# Altium PCB SONDE_2.PcbDoc (part 3 of 10)
Units mil, origin at the board's own origin, x right, y up, seen from the top; angles counter-clockwise.
Board outline 10236.22 x 6701.71 mil, 4 copper layers (Top Layer, GND, Internal Plane 2, Bottom Layer), stack 30.9 mil thick; 1794 components, 936 nets, 4747 pads, 493 vias.
Unrouted connection lines stored in the file: 1122.
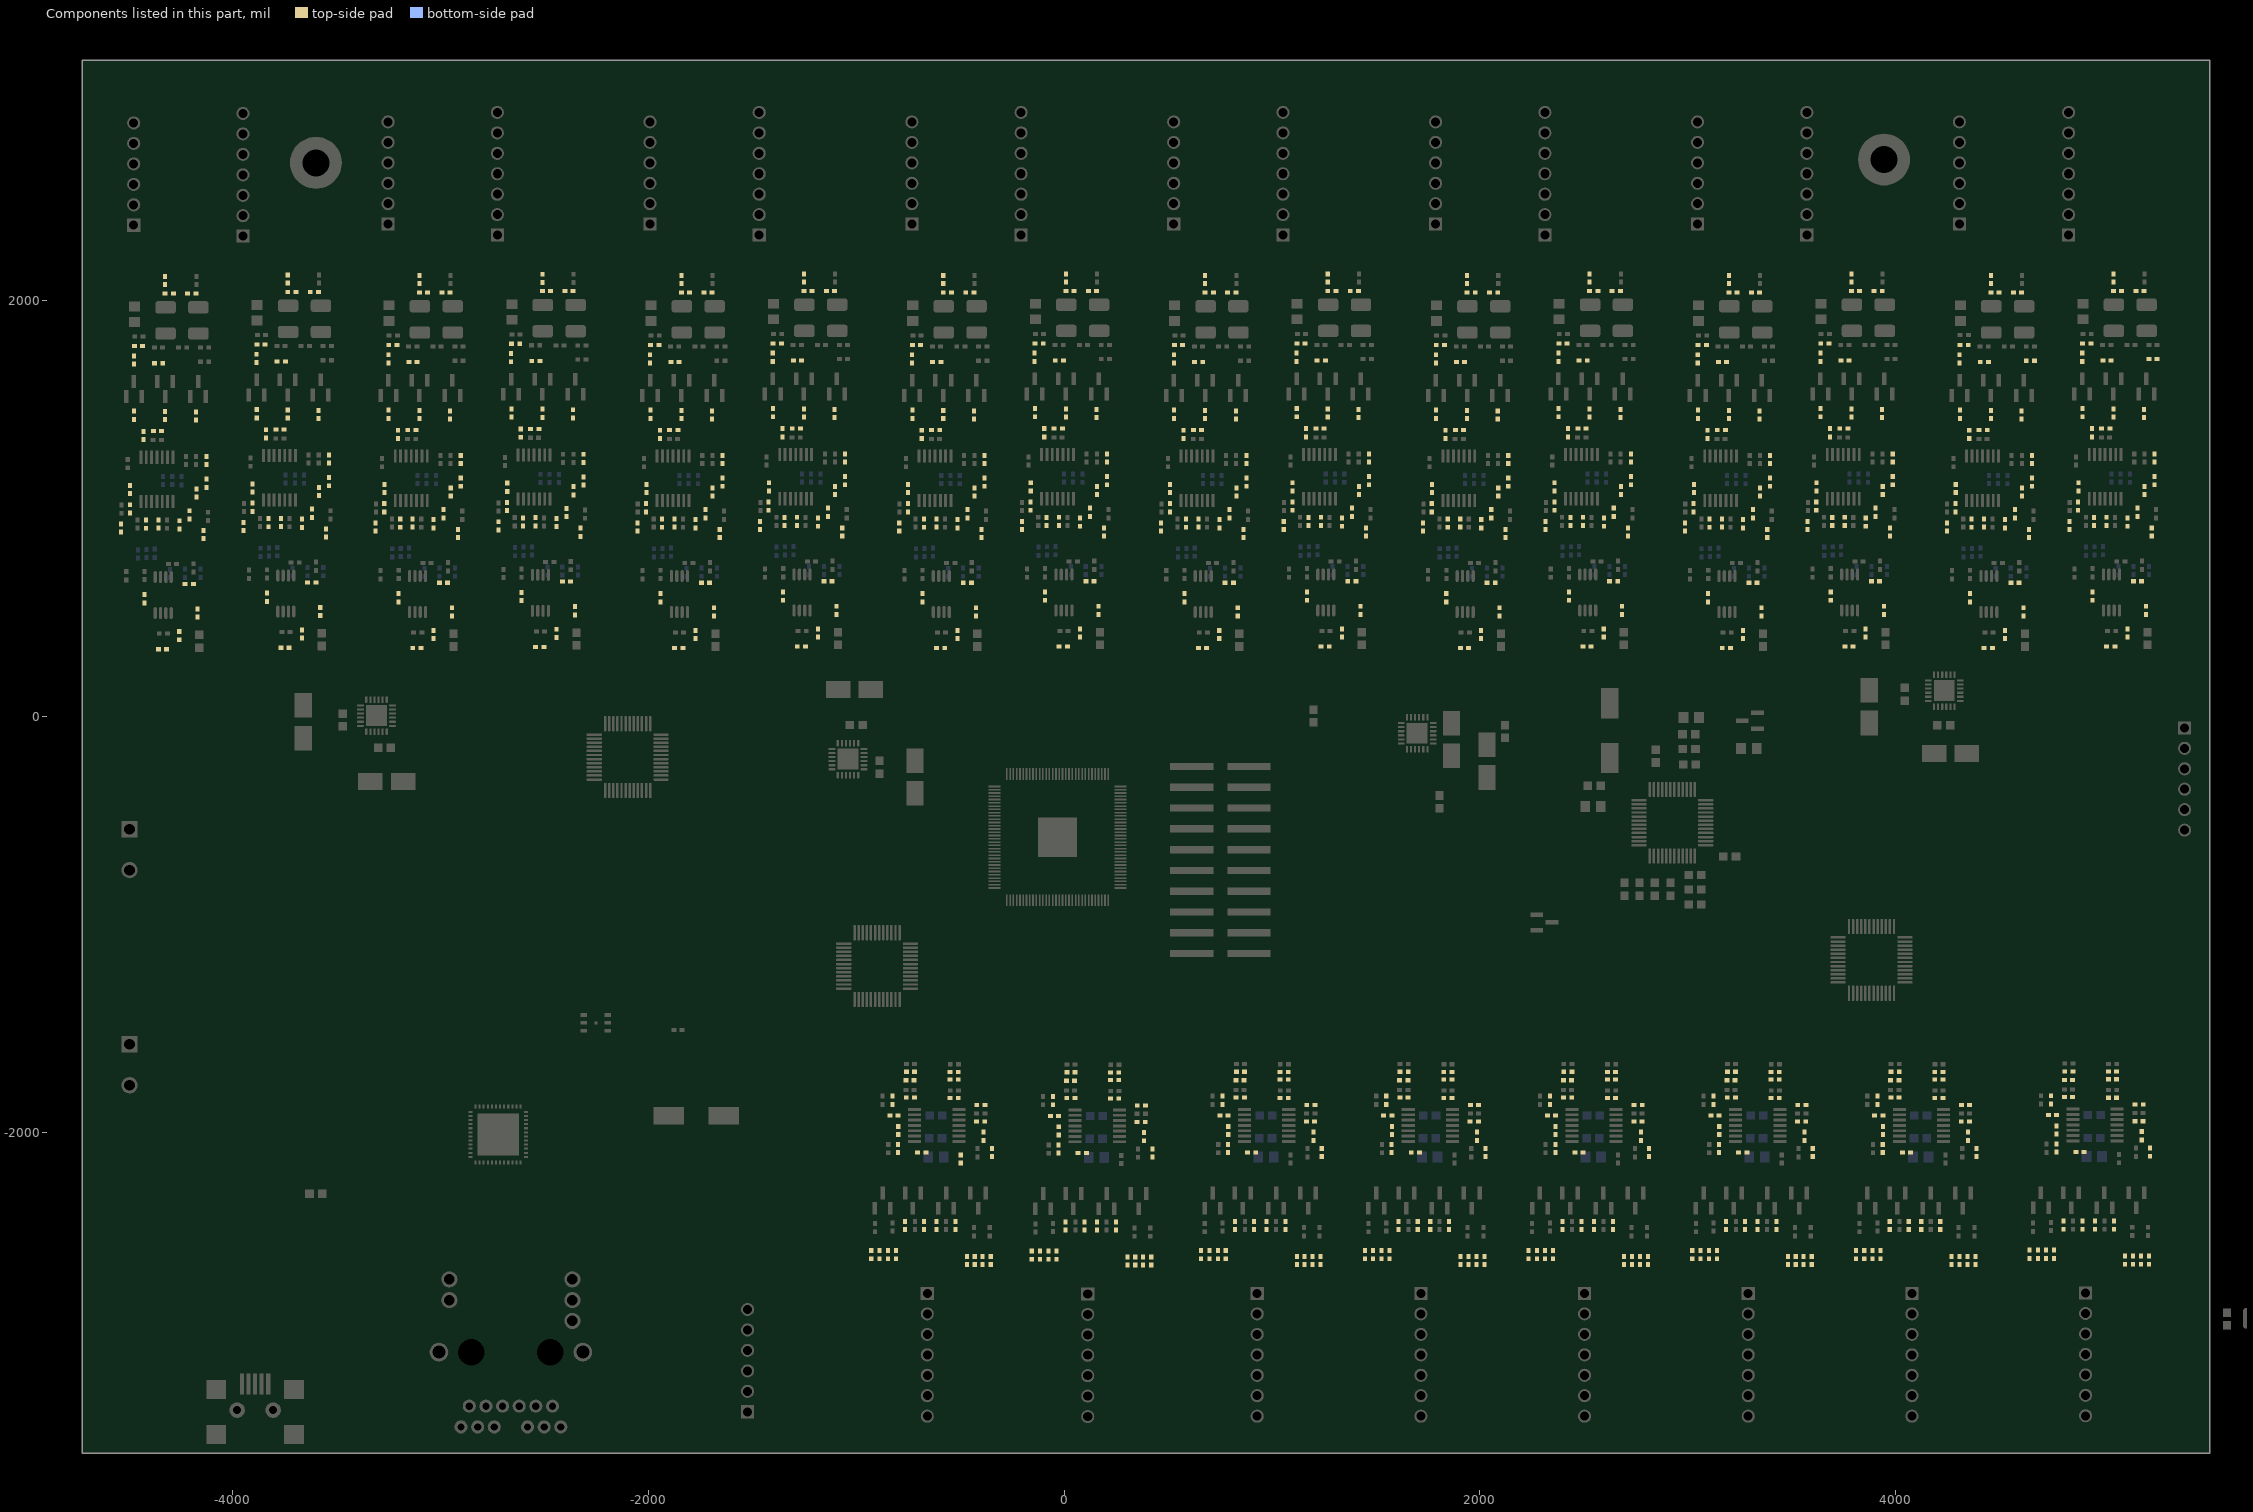
[diagram p5: the components of this part, seen from the top]

## Components (designator, comment, footprint, x,y, rotation, side; value= is the part's Value field where it differs from the comment) (continued)
R38.15 "Resistor" 0402 4647.8,1712.17 r180 top (schematic designator R38)
R38.16 "Resistor" 0402 5237.47,1719.65 r180 top (schematic designator R38)
R39.1 "Resistor" 0402 -4196.84,2035.87 r180 top (schematic designator R39)
R39.2 "Resistor" 0402 -3607.17,2043.35 r180 top (schematic designator R39)
R39.3 "Resistor" 0402 -2973.26,2041.01 r180 top (schematic designator R39)
R39.4 "Resistor" 0402 -2382.23,2046.6 r180 top (schematic designator R39)
R39.5 "Resistor" 0402 -1713.42,2041.01 r180 top (schematic designator R39)
R39.6 "Resistor" 0402 -1123.75,2048.49 r180 top (schematic designator R39)
R39.7 "Resistor" 0402 -453.57,2041.01 r180 top (schematic designator R39)
R39.8 "Resistor" 0402 136.1,2048.49 r180 top (schematic designator R39)
R39.9 "Resistor" 0402 806.27,2041.01 r180 top (schematic designator R39)
R39.10 "Resistor" 0402 1395.94,2048.49 r180 top (schematic designator R39)
R39.11 "Resistor" 0402 2066.11,2041.01 r180 top (schematic designator R39)
R39.12 "Resistor" 0402 2655.78,2048.49 r180 top (schematic designator R39)
R39.13 "Resistor" 0402 3325.95,2041.01 r180 top (schematic designator R39)
R39.14 "Resistor" 0402 3915.62,2048.49 r180 top (schematic designator R39)
R39.15 "Resistor" 0402 4585.8,2041.01 r180 top (schematic designator R39)
R39.16 "Resistor" 0402 5175.47,2048.49 r180 top (schematic designator R39)
R40.1 "Resistor" 0402 -4209.03,638.72 r0 top (schematic designator R40)
R40.2 "Resistor" 0402 -3619.35,646.2 r0 top (schematic designator R40)
R40.3 "Resistor" 0402 -2985.44,643.86 r0 top (schematic designator R40)
R40.4 "Resistor" 0402 -2394.41,649.45 r0 top (schematic designator R40)
R40.5 "Resistor" 0402 -1725.6,643.86 r0 top (schematic designator R40)
R40.6 "Resistor" 0402 -1135.93,651.33 r0 top (schematic designator R40)
R40.7 "Resistor" 0402 -465.76,643.86 r0 top (schematic designator R40)
R40.8 "Resistor" 0402 123.91,651.33 r0 top (schematic designator R40)
R40.9 "Resistor" 0402 794.08,643.86 r0 top (schematic designator R40)
R40.10 "Resistor" 0402 1383.76,651.33 r0 top (schematic designator R40)
R40.11 "Resistor" 0402 2053.93,643.86 r0 top (schematic designator R40)
R40.12 "Resistor" 0402 2643.6,651.33 r0 top (schematic designator R40)
R40.13 "Resistor" 0402 3313.77,643.86 r0 top (schematic designator R40)
R40.14 "Resistor" 0402 3903.44,651.33 r0 top (schematic designator R40)
R40.15 "Resistor" 0402 4573.61,643.86 r0 top (schematic designator R40)
R40.16 "Resistor" 0402 5163.28,651.33 r0 top (schematic designator R40)
R41.1 "Resistor" 0402 -4536.55,907.03 r90 top (schematic designator R41)
R41.2 "Resistor" 0402 -3946.88,914.51 r90 top (schematic designator R41)
R41.3 "Resistor" 0402 -3312.97,912.17 r90 top (schematic designator R41)
R41.4 "Resistor" 0402 -2721.94,917.76 r90 top (schematic designator R41)
R41.5 "Resistor" 0402 -2053.13,912.17 r90 top (schematic designator R41)
R41.6 "Resistor" 0402 -1463.46,919.65 r90 top (schematic designator R41)
R41.7 "Resistor" 0402 -793.29,912.17 r90 top (schematic designator R41)
R41.8 "Resistor" 0402 -203.62,919.65 r90 top (schematic designator R41)
R41.9 "Resistor" 0402 466.56,912.17 r90 top (schematic designator R41)
R41.10 "Resistor" 0402 1056.23,919.65 r90 top (schematic designator R41)
R41.11 "Resistor" 0402 1726.4,912.17 r90 top (schematic designator R41)
R41.12 "Resistor" 0402 2316.07,919.65 r90 top (schematic designator R41)
R41.13 "Resistor" 0402 2986.24,912.17 r90 top (schematic designator R41)
R41.14 "Resistor" 0402 3575.91,919.65 r90 top (schematic designator R41)
R41.15 "Resistor" 0402 4246.08,912.17 r90 top (schematic designator R41)
R41.16 "Resistor" 0402 4835.76,919.65 r90 top (schematic designator R41)
R42.1 "Resistor" 0402 -4424.84,566.91 r90 top (schematic designator R42)
R42.2 "Resistor" 0402 -3835.16,574.39 r90 top (schematic designator R42)
R42.3 "Resistor" 0402 -3201.25,572.05 r90 top (schematic designator R42)
R42.4 "Resistor" 0402 -2610.22,577.64 r90 top (schematic designator R42)
R42.5 "Resistor" 0402 -1941.41,572.05 r90 top (schematic designator R42)
R42.6 "Resistor" 0402 -1351.74,579.53 r90 top (schematic designator R42)
R42.7 "Resistor" 0402 -681.57,572.05 r90 top (schematic designator R42)
R42.8 "Resistor" 0402 -91.9,579.53 r90 top (schematic designator R42)
R42.9 "Resistor" 0402 578.27,572.05 r90 top (schematic designator R42)
R42.10 "Resistor" 0402 1167.95,579.53 r90 top (schematic designator R42)
R42.11 "Resistor" 0402 1838.12,572.05 r90 top (schematic designator R42)
R42.12 "Resistor" 0402 2427.79,579.53 r90 top (schematic designator R42)
R42.13 "Resistor" 0402 3097.96,572.05 r90 top (schematic designator R42)
R42.14 "Resistor" 0402 3687.63,579.53 r90 top (schematic designator R42)
R42.15 "Resistor" 0402 4357.8,572.05 r90 top (schematic designator R42)
R42.16 "Resistor" 0402 4947.47,579.53 r90 top (schematic designator R42)
R43.1 "Resistor" 0402 -4177.2,1446.03 r270 top (schematic designator R43)
R43.2 "Resistor" 0402 -3587.53,1453.51 r270 top (schematic designator R43)
R43.3 "Resistor" 0402 -2953.62,1451.17 r270 top (schematic designator R43)
R43.4 "Resistor" 0402 -2362.59,1456.76 r270 top (schematic designator R43)
R43.5 "Resistor" 0402 -1693.78,1451.17 r270 top (schematic designator R43)
R43.6 "Resistor" 0402 -1104.11,1458.65 r270 top (schematic designator R43)
R43.7 "Resistor" 0402 -433.94,1451.17 r270 top (schematic designator R43)
R43.8 "Resistor" 0402 155.73,1458.65 r270 top (schematic designator R43)
R43.9 "Resistor" 0402 825.91,1451.17 r270 top (schematic designator R43)
R43.10 "Resistor" 0402 1415.58,1458.65 r270 top (schematic designator R43)
R43.11 "Resistor" 0402 2085.75,1451.17 r270 top (schematic designator R43)
R43.12 "Resistor" 0402 2675.42,1458.65 r270 top (schematic designator R43)
R43.13 "Resistor" 0402 3345.59,1451.17 r270 top (schematic designator R43)
R43.14 "Resistor" 0402 3935.26,1458.65 r270 top (schematic designator R43)
R43.15 "Resistor" 0402 4605.43,1451.17 r270 top (schematic designator R43)
R43.16 "Resistor" 0402 5195.1,1458.65 r270 top (schematic designator R43)
R44.1 "Resistor" 0402 -4324.84,1448.51 r270 top (schematic designator R44)
R44.2 "Resistor" 0402 -3735.17,1455.99 r270 top (schematic designator R44)
R44.3 "Resistor" 0402 -3101.26,1453.65 r270 top (schematic designator R44)
R44.4 "Resistor" 0402 -2510.23,1459.24 r270 top (schematic designator R44)
R44.5 "Resistor" 0402 -1841.42,1453.65 r270 top (schematic designator R44)
R44.6 "Resistor" 0402 -1251.75,1461.13 r270 top (schematic designator R44)
R44.7 "Resistor" 0402 -581.57,1453.65 r270 top (schematic designator R44)
R44.8 "Resistor" 0402 8.1,1461.13 r270 top (schematic designator R44)
R44.9 "Resistor" 0402 678.27,1453.65 r270 top (schematic designator R44)
R44.10 "Resistor" 0402 1267.94,1461.13 r270 top (schematic designator R44)
R44.11 "Resistor" 0402 1938.11,1453.65 r270 top (schematic designator R44)
R44.12 "Resistor" 0402 2527.78,1461.13 r270 top (schematic designator R44)
R44.13 "Resistor" 0402 3197.95,1453.65 r270 top (schematic designator R44)
R44.14 "Resistor" 0402 3787.62,1461.13 r270 top (schematic designator R44)
R44.15 "Resistor" 0402 4457.8,1453.65 r270 top (schematic designator R44)
R44.16 "Resistor" 0402 5047.47,1461.13 r270 top (schematic designator R44)
R45.1 "Resistor" 0402 -4305.16,2035.87 r180 top (schematic designator R45)
R45.2 "Resistor" 0402 -3715.48,2043.35 r180 top (schematic designator R45)
R45.3 "Resistor" 0402 -3081.57,2041.01 r180 top (schematic designator R45)
R45.4 "Resistor" 0402 -2490.54,2046.6 r180 top (schematic designator R45)
R45.5 "Resistor" 0402 -1821.73,2041.01 r180 top (schematic designator R45)
R45.6 "Resistor" 0402 -1232.06,2048.49 r180 top (schematic designator R45)
R45.7 "Resistor" 0402 -561.89,2041.01 r180 top (schematic designator R45)
R45.8 "Resistor" 0402 27.78,2048.49 r180 top (schematic designator R45)
R45.9 "Resistor" 0402 697.95,2041.01 r180 top (schematic designator R45)
R45.10 "Resistor" 0402 1287.62,2048.49 r180 top (schematic designator R45)
R45.11 "Resistor" 0402 1957.8,2041.01 r180 top (schematic designator R45)
R45.12 "Resistor" 0402 2547.47,2048.49 r180 top (schematic designator R45)
R45.13 "Resistor" 0402 3217.64,2041.01 r180 top (schematic designator R45)
R45.14 "Resistor" 0402 3807.31,2048.49 r180 top (schematic designator R45)
R45.15 "Resistor" 0402 4477.48,2041.01 r180 top (schematic designator R45)
R45.16 "Resistor" 0402 5067.15,2048.49 r180 top (schematic designator R45)
R46.1 "Resistor" 0402 -4324.84,2097.72 r270 top (schematic designator R46)
R46.2 "Resistor" 0402 -3735.17,2105.2 r270 top (schematic designator R46)
R46.3 "Resistor" 0402 -3101.26,2102.86 r270 top (schematic designator R46)
R46.4 "Resistor" 0402 -2510.23,2108.45 r270 top (schematic designator R46)
R46.5 "Resistor" 0402 -1841.42,2102.86 r270 top (schematic designator R46)
R46.6 "Resistor" 0402 -1251.75,2110.33 r270 top (schematic designator R46)
R46.7 "Resistor" 0402 -581.57,2102.86 r270 top (schematic designator R46)
R46.8 "Resistor" 0402 8.1,2110.33 r270 top (schematic designator R46)
R46.9 "Resistor" 0402 678.27,2102.86 r270 top (schematic designator R46)
R46.10 "Resistor" 0402 1267.94,2110.33 r270 top (schematic designator R46)
R46.11 "Resistor" 0402 1938.11,2102.86 r270 top (schematic designator R46)
R46.12 "Resistor" 0402 2527.78,2110.33 r270 top (schematic designator R46)
R46.13 "Resistor" 0402 3197.95,2102.86 r270 top (schematic designator R46)
R46.14 "Resistor" 0402 3787.62,2110.33 r270 top (schematic designator R46)
R46.15 "Resistor" 0402 4457.8,2102.86 r270 top (schematic designator R46)
R46.16 "Resistor" 0402 5047.47,2110.33 r270 top (schematic designator R46)
R47.1 "Resistor" 0402 -4337.42,324.02 r0 top (schematic designator R47)
R47.2 "Resistor" 0402 -3747.74,331.49 r0 top (schematic designator R47)
R47.3 "Resistor" 0402 -3113.83,329.16 r0 top (schematic designator R47)
R47.4 "Resistor" 0402 -2522.8,334.75 r0 top (schematic designator R47)
R47.5 "Resistor" 0402 -1853.99,329.16 r0 top (schematic designator R47)
R47.6 "Resistor" 0402 -1264.32,336.63 r0 top (schematic designator R47)
R47.7 "Resistor" 0402 -594.15,329.16 r0 top (schematic designator R47)
R47.8 "Resistor" 0402 -4.48,336.63 r0 top (schematic designator R47)
R47.9 "Resistor" 0402 665.69,329.16 r0 top (schematic designator R47)
R47.10 "Resistor" 0402 1255.37,336.63 r0 top (schematic designator R47)
R47.11 "Resistor" 0402 1925.54,329.16 r0 top (schematic designator R47)
R47.12 "Resistor" 0402 2515.21,336.63 r0 top (schematic designator R47)
R47.13 "Resistor" 0402 3185.38,329.16 r0 top (schematic designator R47)
R47.14 "Resistor" 0402 3775.05,336.63 r0 top (schematic designator R47)
R47.15 "Resistor" 0402 4445.22,329.16 r0 top (schematic designator R47)
R47.16 "Resistor" 0402 5034.89,336.63 r0 top (schematic designator R47)
R48.1 "Resistor" 0402 -4361.55,1373.78 r180 top (schematic designator R48)
R48.2 "Resistor" 0402 -3771.88,1381.25 r180 top (schematic designator R48)
R48.3 "Resistor" 0402 -3137.97,1378.92 r180 top (schematic designator R48)
R48.4 "Resistor" 0402 -2546.94,1384.51 r180 top (schematic designator R48)
R48.5 "Resistor" 0402 -1878.13,1378.92 r180 top (schematic designator R48)
R48.6 "Resistor" 0402 -1288.46,1386.39 r180 top (schematic designator R48)
R48.7 "Resistor" 0402 -618.29,1378.92 r180 top (schematic designator R48)
R48.8 "Resistor" 0402 -28.62,1386.39 r180 top (schematic designator R48)
R48.9 "Resistor" 0402 641.56,1378.92 r180 top (schematic designator R48)
R48.10 "Resistor" 0402 1231.23,1386.39 r180 top (schematic designator R48)
R48.11 "Resistor" 0402 1901.4,1378.92 r180 top (schematic designator R48)
R48.12 "Resistor" 0402 2491.07,1386.39 r180 top (schematic designator R48)
R48.13 "Resistor" 0402 3161.24,1378.92 r180 top (schematic designator R48)
R48.14 "Resistor" 0402 3750.91,1386.39 r180 top (schematic designator R48)
R48.15 "Resistor" 0402 4421.08,1378.92 r180 top (schematic designator R48)
R48.16 "Resistor" 0402 5010.75,1386.39 r180 top (schematic designator R48)
R49.1 "Resistor" 0402 -4356,1699.91 r0 top (schematic designator R49)
R49.2 "Resistor" 0402 -3766.33,1707.39 r0 top (schematic designator R49)
R49.3 "Resistor" 0402 -3132.42,1705.05 r0 top (schematic designator R49)
R49.4 "Resistor" 0402 -2541.39,1710.64 r0 top (schematic designator R49)
R49.5 "Resistor" 0402 -1872.58,1705.05 r0 top (schematic designator R49)
R49.6 "Resistor" 0402 -1282.9,1712.53 r0 top (schematic designator R49)
R49.7 "Resistor" 0402 -612.73,1705.05 r0 top (schematic designator R49)
R49.8 "Resistor" 0402 -23.06,1712.53 r0 top (schematic designator R49)
R49.9 "Resistor" 0402 647.11,1705.05 r0 top (schematic designator R49)
R49.10 "Resistor" 0402 1236.78,1712.53 r0 top (schematic designator R49)
R49.11 "Resistor" 0402 1906.95,1705.05 r0 top (schematic designator R49)
R49.12 "Resistor" 0402 2496.62,1712.53 r0 top (schematic designator R49)
R49.13 "Resistor" 0402 3166.79,1705.05 r0 top (schematic designator R49)
R49.14 "Resistor" 0402 3756.47,1712.53 r0 top (schematic designator R49)
R49.15 "Resistor" 0402 4426.64,1705.05 r0 top (schematic designator R49)
R49.16 "Resistor" 0402 5016.31,1712.53 r0 top (schematic designator R49)
R50.1 "Resistor" 0402 -4168.17,498.73 r270 top (schematic designator R50)
R50.2 "Resistor" 0402 -3578.5,506.21 r270 top (schematic designator R50)
R50.3 "Resistor" 0402 -2944.59,503.87 r270 top (schematic designator R50)
R50.4 "Resistor" 0402 -2353.55,509.46 r270 top (schematic designator R50)
R50.5 "Resistor" 0402 -1684.74,503.87 r270 top (schematic designator R50)
R50.6 "Resistor" 0402 -1095.07,511.34 r270 top (schematic designator R50)
R50.7 "Resistor" 0402 -424.9,503.87 r270 top (schematic designator R50)
R50.8 "Resistor" 0402 164.77,511.34 r270 top (schematic designator R50)
R50.9 "Resistor" 0402 834.94,503.87 r270 top (schematic designator R50)
R50.10 "Resistor" 0402 1424.61,511.34 r270 top (schematic designator R50)
R50.11 "Resistor" 0402 2094.78,503.87 r270 top (schematic designator R50)
R50.12 "Resistor" 0402 2684.46,511.34 r270 top (schematic designator R50)
R50.13 "Resistor" 0402 3354.63,503.87 r270 top (schematic designator R50)
R50.14 "Resistor" 0402 3944.3,511.34 r270 top (schematic designator R50)
R50.15 "Resistor" 0402 4614.47,503.87 r270 top (schematic designator R50)
R50.16 "Resistor" 0402 5204.14,511.34 r270 top (schematic designator R50)
R51.1 "Resistor" 0402 -4257.03,389.72 r270 top (schematic designator R51)
R51.2 "Resistor" 0402 -3667.35,397.2 r270 top (schematic designator R51)
R51.3 "Resistor" 0402 -3033.44,394.86 r270 top (schematic designator R51)
R51.4 "Resistor" 0402 -2442.41,400.45 r270 top (schematic designator R51)
R51.5 "Resistor" 0402 -1773.6,394.86 r270 top (schematic designator R51)
R51.6 "Resistor" 0402 -1183.93,402.33 r270 top (schematic designator R51)
R51.7 "Resistor" 0402 -513.76,394.86 r270 top (schematic designator R51)
R51.8 "Resistor" 0402 75.91,402.33 r270 top (schematic designator R51)
R51.9 "Resistor" 0402 746.08,394.86 r270 top (schematic designator R51)
R51.10 "Resistor" 0402 1335.76,402.33 r270 top (schematic designator R51)
R51.11 "Resistor" 0402 2005.93,394.86 r270 top (schematic designator R51)
R51.12 "Resistor" 0402 2595.6,402.33 r270 top (schematic designator R51)
R51.13 "Resistor" 0402 3265.77,394.86 r270 top (schematic designator R51)
R51.14 "Resistor" 0402 3855.44,402.33 r270 top (schematic designator R51)
R51.15 "Resistor" 0402 4525.61,394.86 r270 top (schematic designator R51)
R51.16 "Resistor" 0402 5115.28,402.33 r270 top (schematic designator R51)
R52.1 "Resistor" 0402 -4208.55,970.72 r270 top (schematic designator R52)
R52.2 "Resistor" 0402 -3618.88,978.2 r270 top (schematic designator R52)
R52.3 "Resistor" 0402 -2984.97,975.86 r270 top (schematic designator R52)
R52.4 "Resistor" 0402 -2393.94,981.45 r270 top (schematic designator R52)
R52.5 "Resistor" 0402 -1725.13,975.86 r270 top (schematic designator R52)
R52.6 "Resistor" 0402 -1135.46,983.33 r270 top (schematic designator R52)
R52.7 "Resistor" 0402 -465.29,975.86 r270 top (schematic designator R52)
R52.8 "Resistor" 0402 124.38,983.33 r270 top (schematic designator R52)
R52.9 "Resistor" 0402 794.56,975.86 r270 top (schematic designator R52)
R52.10 "Resistor" 0402 1384.23,983.33 r270 top (schematic designator R52)
R52.11 "Resistor" 0402 2054.4,975.86 r270 top (schematic designator R52)
R52.12 "Resistor" 0402 2644.07,983.33 r270 top (schematic designator R52)
R52.13 "Resistor" 0402 3314.24,975.86 r270 top (schematic designator R52)
R52.14 "Resistor" 0402 3903.91,983.33 r270 top (schematic designator R52)
R52.15 "Resistor" 0402 4574.08,975.86 r270 top (schematic designator R52)
R52.16 "Resistor" 0402 5163.75,983.33 r270 top (schematic designator R52)
R53.1 "Resistor" 0402 -4126.55,1231.72 r90 top (schematic designator R53)
R53.2 "Resistor" 0402 -3536.88,1239.2 r90 top (schematic designator R53)
R53.3 "Resistor" 0402 -2902.97,1236.86 r90 top (schematic designator R53)
R53.4 "Resistor" 0402 -2311.94,1242.45 r90 top (schematic designator R53)
R53.5 "Resistor" 0402 -1643.13,1236.86 r90 top (schematic designator R53)
R53.6 "Resistor" 0402 -1053.46,1244.33 r90 top (schematic designator R53)
R53.7 "Resistor" 0402 -383.29,1236.86 r90 top (schematic designator R53)
R53.8 "Resistor" 0402 206.38,1244.33 r90 top (schematic designator R53)
R53.9 "Resistor" 0402 876.56,1236.86 r90 top (schematic designator R53)
R53.10 "Resistor" 0402 1466.23,1244.33 r90 top (schematic designator R53)
R53.11 "Resistor" 0402 2136.4,1236.86 r90 top (schematic designator R53)
R53.12 "Resistor" 0402 2726.07,1244.33 r90 top (schematic designator R53)
R53.13 "Resistor" 0402 3396.24,1236.86 r90 top (schematic designator R53)
R53.14 "Resistor" 0402 3985.91,1244.33 r90 top (schematic designator R53)
R53.15 "Resistor" 0402 4656.08,1236.86 r90 top (schematic designator R53)
R53.16 "Resistor" 0402 5245.75,1244.33 r90 top (schematic designator R53)
R54.1 "Resistor" 0402 -4140.44,876.03 r90 top (schematic designator R54)
R54.2 "Resistor" 0402 -3550.77,883.51 r90 top (schematic designator R54)
R54.3 "Resistor" 0402 -2916.86,881.17 r90 top (schematic designator R54)
R54.4 "Resistor" 0402 -2325.83,886.76 r90 top (schematic designator R54)
R54.5 "Resistor" 0402 -1657.02,881.17 r90 top (schematic designator R54)
R54.6 "Resistor" 0402 -1067.35,888.65 r90 top (schematic designator R54)
R54.7 "Resistor" 0402 -397.18,881.17 r90 top (schematic designator R54)
R54.8 "Resistor" 0402 192.5,888.65 r90 top (schematic designator R54)
R54.9 "Resistor" 0402 862.67,881.17 r90 top (schematic designator R54)
R54.10 "Resistor" 0402 1452.34,888.65 r90 top (schematic designator R54)
R54.11 "Resistor" 0402 2122.51,881.17 r90 top (schematic designator R54)
R54.12 "Resistor" 0402 2712.18,888.65 r90 top (schematic designator R54)
R54.13 "Resistor" 0402 3382.35,881.17 r90 top (schematic designator R54)
R54.14 "Resistor" 0402 3972.02,888.65 r90 top (schematic designator R54)
R54.15 "Resistor" 0402 4642.19,881.17 r90 top (schematic designator R54)
R54.16 "Resistor" 0402 5231.87,888.65 r90 top (schematic designator R54)
R55.1 "Resistor" 0402 -4428.55,1352.78 r270 top (schematic designator R55)
R55.2 "Resistor" 0402 -3838.88,1360.25 r270 top (schematic designator R55)
R55.3 "Resistor" 0402 -3204.97,1357.92 r270 top (schematic designator R55)
R55.4 "Resistor" 0402 -2613.94,1363.51 r270 top (schematic designator R55)
R55.5 "Resistor" 0402 -1945.13,1357.92 r270 top (schematic designator R55)
R55.6 "Resistor" 0402 -1355.46,1365.39 r270 top (schematic designator R55)
R55.7 "Resistor" 0402 -685.29,1357.92 r270 top (schematic designator R55)
R55.8 "Resistor" 0402 -95.62,1365.39 r270 top (schematic designator R55)
R55.9 "Resistor" 0402 574.56,1357.92 r270 top (schematic designator R55)
R55.10 "Resistor" 0402 1164.23,1365.39 r270 top (schematic designator R55)
R55.11 "Resistor" 0402 1834.4,1357.92 r270 top (schematic designator R55)
R55.12 "Resistor" 0402 2424.07,1365.39 r270 top (schematic designator R55)
R55.13 "Resistor" 0402 3094.24,1357.92 r270 top (schematic designator R55)
R55.14 "Resistor" 0402 3683.91,1365.39 r270 top (schematic designator R55)
R55.15 "Resistor" 0402 4354.08,1357.92 r270 top (schematic designator R55)
R55.16 "Resistor" 0402 4943.75,1365.39 r270 top (schematic designator R55)
R56.1 "Resistor" 0402 -4256.55,922.72 r270 top (schematic designator R56)
R56.2 "Resistor" 0402 -3666.88,930.2 r270 top (schematic designator R56)
R56.3 "Resistor" 0402 -3032.97,927.86 r270 top (schematic designator R56)
R56.4 "Resistor" 0402 -2441.94,933.45 r270 top (schematic designator R56)
R56.5 "Resistor" 0402 -1773.13,927.86 r270 top (schematic designator R56)
R56.6 "Resistor" 0402 -1183.46,935.33 r270 top (schematic designator R56)
R56.7 "Resistor" 0402 -513.29,927.86 r270 top (schematic designator R56)
R56.8 "Resistor" 0402 76.38,935.33 r270 top (schematic designator R56)
R56.9 "Resistor" 0402 746.56,927.86 r270 top (schematic designator R56)
R56.10 "Resistor" 0402 1336.23,935.33 r270 top (schematic designator R56)
R56.11 "Resistor" 0402 2006.4,927.86 r270 top (schematic designator R56)
R56.12 "Resistor" 0402 2596.07,935.33 r270 top (schematic designator R56)
R56.13 "Resistor" 0402 3266.24,927.86 r270 top (schematic designator R56)
R56.14 "Resistor" 0402 3855.91,935.33 r270 top (schematic designator R56)
R56.15 "Resistor" 0402 4526.08,927.86 r270 top (schematic designator R56)
R56.16 "Resistor" 0402 5115.75,935.33 r270 top (schematic designator R56)
R57.1 "Resistor" 0402 -4474.84,1716.03 r90 top (schematic designator R57)
R57.2 "Resistor" 0402 -3885.17,1723.51 r90 top (schematic designator R57)
R57.3 "Resistor" 0402 -3251.26,1721.17 r90 top (schematic designator R57)
R57.4 "Resistor" 0402 -2660.23,1726.76 r90 top (schematic designator R57)
R57.5 "Resistor" 0402 -1991.42,1721.17 r90 top (schematic designator R57)
R57.6 "Resistor" 0402 -1401.75,1728.65 r90 top (schematic designator R57)
R57.7 "Resistor" 0402 -731.57,1721.17 r90 top (schematic designator R57)
R57.8 "Resistor" 0402 -141.9,1728.65 r90 top (schematic designator R57)
R57.9 "Resistor" 0402 528.27,1721.17 r90 top (schematic designator R57)
R57.10 "Resistor" 0402 1117.94,1728.65 r90 top (schematic designator R57)
R57.11 "Resistor" 0402 1788.11,1721.17 r90 top (schematic designator R57)
R57.12 "Resistor" 0402 2377.78,1728.65 r90 top (schematic designator R57)
R57.13 "Resistor" 0402 3047.95,1721.17 r90 top (schematic designator R57)
R57.14 "Resistor" 0402 3637.62,1728.65 r90 top (schematic designator R57)
R57.15 "Resistor" 0402 4307.8,1721.17 r90 top (schematic designator R57)
R57.16 "Resistor" 0402 4897.47,1728.65 r90 top (schematic designator R57)
R58.1 "Resistor" 0402 -4473.78,1449.62 r90 top (schematic designator R58)
R58.2 "Resistor" 0402 -3884.11,1457.09 r90 top (schematic designator R58)
R58.3 "Resistor" 0402 -3250.2,1454.75 r90 top (schematic designator R58)
R58.4 "Resistor" 0402 -2659.17,1460.35 r90 top (schematic designator R58)
R58.5 "Resistor" 0402 -1990.35,1454.75 r90 top (schematic designator R58)
R58.6 "Resistor" 0402 -1400.68,1462.23 r90 top (schematic designator R58)
R58.7 "Resistor" 0402 -730.51,1454.75 r90 top (schematic designator R58)
R58.8 "Resistor" 0402 -140.84,1462.23 r90 top (schematic designator R58)
R58.9 "Resistor" 0402 529.33,1454.75 r90 top (schematic designator R58)
R58.10 "Resistor" 0402 1119,1462.23 r90 top (schematic designator R58)
R58.11 "Resistor" 0402 1789.17,1454.75 r90 top (schematic designator R58)
R58.12 "Resistor" 0402 2378.85,1462.23 r90 top (schematic designator R58)
R58.13 "Resistor" 0402 3049.02,1454.75 r90 top (schematic designator R58)
R58.14 "Resistor" 0402 3638.69,1462.23 r90 top (schematic designator R58)
R58.15 "Resistor" 0402 4308.86,1454.75 r90 top (schematic designator R58)
R58.16 "Resistor" 0402 4898.53,1462.23 r90 top (schematic designator R58)
R59.1 "Resistor" 0402 -4453.13,1783.03 r0 top (schematic designator R59)
R59.2 "Resistor" 0402 -3863.46,1790.51 r0 top (schematic designator R59)
R59.3 "Resistor" 0402 -3229.55,1788.17 r0 top (schematic designator R59)
R59.4 "Resistor" 0402 -2638.52,1793.76 r0 top (schematic designator R59)
R59.5 "Resistor" 0402 -1969.71,1788.17 r0 top (schematic designator R59)
R59.6 "Resistor" 0402 -1380.04,1795.65 r0 top (schematic designator R59)
R59.7 "Resistor" 0402 -709.87,1788.17 r0 top (schematic designator R59)
R59.8 "Resistor" 0402 -120.19,1795.65 r0 top (schematic designator R59)
R59.9 "Resistor" 0402 549.98,1788.17 r0 top (schematic designator R59)
R59.10 "Resistor" 0402 1139.65,1795.65 r0 top (schematic designator R59)
R59.11 "Resistor" 0402 1809.82,1788.17 r0 top (schematic designator R59)
R59.12 "Resistor" 0402 2399.49,1795.65 r0 top (schematic designator R59)
R59.13 "Resistor" 0402 3069.66,1788.17 r0 top (schematic designator R59)
R59.14 "Resistor" 0402 3659.33,1795.65 r0 top (schematic designator R59)
R59.15 "Resistor" 0402 4329.5,1788.17 r0 top (schematic designator R59)
R59.16 "Resistor" 0402 4919.18,1795.65 r0 top (schematic designator R59)
R60.1 "Resistor" 0402 -4126.55,1122.72 r90 top (schematic designator R60)
R60.2 "Resistor" 0402 -3536.88,1130.2 r90 top (schematic designator R60)
R60.3 "Resistor" 0402 -2902.97,1127.86 r90 top (schematic designator R60)
R60.4 "Resistor" 0402 -2311.94,1133.45 r90 top (schematic designator R60)
R60.5 "Resistor" 0402 -1643.13,1127.86 r90 top (schematic designator R60)
R60.6 "Resistor" 0402 -1053.46,1135.33 r90 top (schematic designator R60)
R60.7 "Resistor" 0402 -383.29,1127.86 r90 top (schematic designator R60)
R60.8 "Resistor" 0402 206.38,1135.33 r90 top (schematic designator R60)
R60.9 "Resistor" 0402 876.56,1127.86 r90 top (schematic designator R60)
R60.10 "Resistor" 0402 1466.23,1135.33 r90 top (schematic designator R60)
R60.11 "Resistor" 0402 2136.4,1127.86 r90 top (schematic designator R60)
R60.12 "Resistor" 0402 2726.07,1135.33 r90 top (schematic designator R60)
R60.13 "Resistor" 0402 3396.24,1127.86 r90 top (schematic designator R60)
R60.14 "Resistor" 0402 3985.91,1135.33 r90 top (schematic designator R60)
R60.15 "Resistor" 0402 4656.08,1127.86 r90 top (schematic designator R60)
R60.16 "Resistor" 0402 5245.75,1135.33 r90 top (schematic designator R60)
R61.1 "Resistor" 0402 -4417.55,925.72 r270 top (schematic designator R61)
R61.2 "Resistor" 0402 -3827.88,933.2 r270 top (schematic designator R61)
R61.3 "Resistor" 0402 -3193.97,930.86 r270 top (schematic designator R61)
R61.4 "Resistor" 0402 -2602.94,936.45 r270 top (schematic designator R61)
R61.5 "Resistor" 0402 -1934.13,930.86 r270 top (schematic designator R61)
R61.6 "Resistor" 0402 -1344.46,938.33 r270 top (schematic designator R61)
R61.7 "Resistor" 0402 -674.29,930.86 r270 top (schematic designator R61)
R61.8 "Resistor" 0402 -84.62,938.33 r270 top (schematic designator R61)
R61.9 "Resistor" 0402 585.56,930.86 r270 top (schematic designator R61)
R61.10 "Resistor" 0402 1175.23,938.33 r270 top (schematic designator R61)
R61.11 "Resistor" 0402 1845.4,930.86 r270 top (schematic designator R61)
R61.12 "Resistor" 0402 2435.07,938.33 r270 top (schematic designator R61)
R61.13 "Resistor" 0402 3105.24,930.86 r270 top (schematic designator R61)
R61.14 "Resistor" 0402 3694.91,938.33 r270 top (schematic designator R61)
R61.15 "Resistor" 0402 4365.08,930.86 r270 top (schematic designator R61)
R61.16 "Resistor" 0402 4954.75,938.33 r270 top (schematic designator R61)
R62.1 "Resistor" 0402 -4357.55,926.72 r90 top (schematic designator R62)
R62.2 "Resistor" 0402 -3767.88,934.2 r90 top (schematic designator R62)
R62.3 "Resistor" 0402 -3133.97,931.86 r90 top (schematic designator R62)
R62.4 "Resistor" 0402 -2542.94,937.45 r90 top (schematic designator R62)
R62.5 "Resistor" 0402 -1874.13,931.86 r90 top (schematic designator R62)
R62.6 "Resistor" 0402 -1284.46,939.33 r90 top (schematic designator R62)
R62.7 "Resistor" 0402 -614.29,931.86 r90 top (schematic designator R62)
R62.8 "Resistor" 0402 -24.62,939.33 r90 top (schematic designator R62)
R62.9 "Resistor" 0402 645.56,931.86 r90 top (schematic designator R62)
R62.10 "Resistor" 0402 1235.23,939.33 r90 top (schematic designator R62)
R62.11 "Resistor" 0402 1905.4,931.86 r90 top (schematic designator R62)
R62.12 "Resistor" 0402 2495.07,939.33 r90 top (schematic designator R62)
R62.13 "Resistor" 0402 3165.24,931.86 r90 top (schematic designator R62)
R62.14 "Resistor" 0402 3754.91,939.33 r90 top (schematic designator R62)
R62.15 "Resistor" 0402 4425.08,931.86 r90 top (schematic designator R62)
R62.16 "Resistor" 0402 5014.75,939.33 r90 top (schematic designator R62)
R63.1 "Resistor" 0402 -4174.55,1075.72 r90 top (schematic designator R63)
R63.2 "Resistor" 0402 -3584.88,1083.2 r90 top (schematic designator R63)
R63.3 "Resistor" 0402 -2950.97,1080.86 r90 top (schematic designator R63)
R63.4 "Resistor" 0402 -2359.94,1086.45 r90 top (schematic designator R63)
R63.5 "Resistor" 0402 -1691.13,1080.86 r90 top (schematic designator R63)
R63.6 "Resistor" 0402 -1101.46,1088.33 r90 top (schematic designator R63)
R63.7 "Resistor" 0402 -431.29,1080.86 r90 top (schematic designator R63)
R63.8 "Resistor" 0402 158.38,1088.33 r90 top (schematic designator R63)
R63.9 "Resistor" 0402 828.56,1080.86 r90 top (schematic designator R63)
R63.10 "Resistor" 0402 1418.23,1088.33 r90 top (schematic designator R63)
R63.11 "Resistor" 0402 2088.4,1080.86 r90 top (schematic designator R63)
R63.12 "Resistor" 0402 2678.07,1088.33 r90 top (schematic designator R63)
R63.13 "Resistor" 0402 3348.24,1080.86 r90 top (schematic designator R63)
R63.14 "Resistor" 0402 3937.91,1088.33 r90 top (schematic designator R63)
R63.15 "Resistor" 0402 4608.08,1080.86 r90 top (schematic designator R63)
R63.16 "Resistor" 0402 5197.75,1088.33 r90 top (schematic designator R63)
R64 "Resistor" 0402 1099.23,1105.33 r90 top
R64.1 "Resistor" 0402 -4493.55,1092.72 r90 top (schematic designator R64)
R64.2 "Resistor" 0402 -3903.88,1100.2 r90 top (schematic designator R64)
R64.3 "Resistor" 0402 -3269.97,1097.86 r90 top (schematic designator R64)
R64.4 "Resistor" 0402 -2678.94,1103.45 r90 top (schematic designator R64)
R64.5 "Resistor" 0402 -2010.13,1097.86 r90 top (schematic designator R64)
R64.6 "Resistor" 0402 -1420.46,1105.33 r90 top (schematic designator R64)
R64.7 "Resistor" 0402 -750.29,1097.86 r90 top (schematic designator R64)
R64.8 "Resistor" 0402 -160.62,1105.33 r90 top (schematic designator R64)
R64.9 "Resistor" 0402 509.56,1097.86 r90 top (schematic designator R64)
R64.11 "Resistor" 0402 1769.4,1097.86 r90 top (schematic designator R64)
R64.12 "Resistor" 0402 2359.07,1105.33 r90 top (schematic designator R64)
R64.13 "Resistor" 0402 3029.24,1097.86 r90 top (schematic designator R64)
R64.14 "Resistor" 0402 3618.91,1105.33 r90 top (schematic designator R64)
R64.15 "Resistor" 0402 4289.08,1097.86 r90 top (schematic designator R64)
R64.16 "Resistor" 0402 4878.75,1105.33 r90 top (schematic designator R64)
R65.1 "Resistor" 0402 -4494.55,999.72 r90 top (schematic designator R65)
R65.2 "Resistor" 0402 -3904.88,1007.2 r90 top (schematic designator R65)
R65.3 "Resistor" 0402 -3270.97,1004.86 r90 top (schematic designator R65)
R65.4 "Resistor" 0402 -2679.94,1010.45 r90 top (schematic designator R65)
R65.5 "Resistor" 0402 -2011.13,1004.86 r90 top (schematic designator R65)
R65.6 "Resistor" 0402 -1421.46,1012.33 r90 top (schematic designator R65)
R65.7 "Resistor" 0402 -751.29,1004.86 r90 top (schematic designator R65)
R65.8 "Resistor" 0402 -161.62,1012.33 r90 top (schematic designator R65)
R65.9 "Resistor" 0402 508.56,1004.86 r90 top (schematic designator R65)
R65.10 "Resistor" 0402 1098.23,1012.33 r90 top (schematic designator R65)
R65.11 "Resistor" 0402 1768.4,1004.86 r90 top (schematic designator R65)
R65.12 "Resistor" 0402 2358.07,1012.33 r90 top (schematic designator R65)
R65.13 "Resistor" 0402 3028.24,1004.86 r90 top (schematic designator R65)
R65.14 "Resistor" 0402 3617.91,1012.33 r90 top (schematic designator R65)
R65.15 "Resistor" 0402 4288.08,1004.86 r90 top (schematic designator R65)
R65.16 "Resistor" 0402 4877.75,1012.33 r90 top (schematic designator R65)
R66 "Resistor" 0603 19086.1,3699.03 r90 top
R67 "Resistor" 0603 18626.1,3699.03 r90 top
R68 "Resistor" 0603 17626.1,3699.03 r90 top
R69 "Resistor" 0603 17397.1,3699.03 r90 top
R70 "Resistor" 0603 16216.1,3699.03 r90 top
R71 "Resistor" 0603 14869.1,3730.03 r0 top
R72 "Resistor" 0603 14607.1,3699.03 r90 top
R73 "Resistor" 0603 14378.1,3699.03 r90 top
R74 "Resistor" 0603 13937.1,3699.03 r90 top
R75 "Resistor" 0603 13413.1,3699.03 r90 top
R76 "Resistor" 0603 12888.1,3699.03 r90 top
R77.1 "Resistor" 0603 8627.1,5342.03 r90 top (schematic designator R77)
R77.2 "Resistor" 0603 8727.1,5837.03 r90 top (schematic designator R77)
R78.1 "Resistor" 0603 8307.1,5342.03 r90 top (schematic designator R78)
R78.2 "Resistor" 0603 8387.1,5837.03 r90 top (schematic designator R78)
R79.1 "Resistor" 0603 7987.1,5342.03 r90 top (schematic designator R79)
R79.2 "Resistor" 0603 8047.1,5837.03 r90 top (schematic designator R79)
R80.1 "Resistor" 0603 7667.1,5342.03 r90 top (schematic designator R80)
R80.2 "Resistor" 0603 7707.1,5837.03 r90 top (schematic designator R80)
R81.1 "Resistor" 0402 -928.08,-2588.46 r90 top (schematic designator R81)
R81.2 "Resistor" 0402 -156,-2590.54 r90 top (schematic designator R81)
R81.3 "Resistor" 0402 659.18,-2588.46 r90 top (schematic designator R81)
R81.4 "Resistor" 0402 1446.58,-2588.46 r90 top (schematic designator R81)
R81.5 "Resistor" 0402 2233.98,-2588.46 r90 top (schematic designator R81)
R81.6 "Resistor" 0402 3021.38,-2588.46 r90 top (schematic designator R81)
R81.7 "Resistor" 0402 3808.78,-2588.46 r90 top (schematic designator R81)
R81.8 "Resistor" 0402 4644,-2586.38 r90 top (schematic designator R81)
R82.1 "Resistor" 0402 -825.08,-1845.46 r270 top (schematic designator R82)
R82.2 "Resistor" 0402 -53,-1847.54 r270 top (schematic designator R82)
R82.3 "Resistor" 0402 762.18,-1845.46 r270 top (schematic designator R82)
R82.4 "Resistor" 0402 1549.58,-1845.46 r270 top (schematic designator R82)
R82.5 "Resistor" 0402 2336.98,-1845.46 r270 top (schematic designator R82)
R82.6 "Resistor" 0402 3124.38,-1845.46 r270 top (schematic designator R82)
R82.7 "Resistor" 0402 3911.78,-1845.46 r270 top (schematic designator R82)
R82.8 "Resistor" 0402 4747,-1843.38 r270 top (schematic designator R82)
R83.1 "Resistor" 0402 -888.08,-2588.46 r90 top (schematic designator R83)
R83.2 "Resistor" 0402 -116,-2590.54 r90 top (schematic designator R83)
R83.3 "Resistor" 0402 699.18,-2588.46 r90 top (schematic designator R83)
R83.4 "Resistor" 0402 1486.58,-2588.46 r90 top (schematic designator R83)
R83.5 "Resistor" 0402 2273.98,-2588.46 r90 top (schematic designator R83)
R83.6 "Resistor" 0402 3061.38,-2588.46 r90 top (schematic designator R83)
R83.7 "Resistor" 0402 3848.78,-2588.46 r90 top (schematic designator R83)
R83.8 "Resistor" 0402 4684,-2586.38 r90 top (schematic designator R83)
R84.1 "Resistor" 0402 -818.08,-1918.46 r180 top (schematic designator R84)
R84.2 "Resistor" 0402 -46,-1920.54 r180 top (schematic designator R84)
R84.3 "Resistor" 0402 769.18,-1918.46 r180 top (schematic designator R84)
R84.4 "Resistor" 0402 1556.58,-1918.46 r180 top (schematic designator R84)
R84.5 "Resistor" 0402 2343.98,-1918.46 r180 top (schematic designator R84)
R84.6 "Resistor" 0402 3131.38,-1918.46 r180 top (schematic designator R84)
R84.7 "Resistor" 0402 3918.78,-1918.46 r180 top (schematic designator R84)
R84.8 "Resistor" 0402 4754,-1916.38 r180 top (schematic designator R84)
R85.1 "Resistor" 0402 -809.76,-2588.46 r90 top (schematic designator R85)
R85.2 "Resistor" 0402 -37.68,-2590.54 r90 top (schematic designator R85)
R85.3 "Resistor" 0402 777.49,-2588.46 r90 top (schematic designator R85)
R85.4 "Resistor" 0402 1564.89,-2588.46 r90 top (schematic designator R85)
R85.5 "Resistor" 0402 2352.29,-2588.46 r90 top (schematic designator R85)
R85.6 "Resistor" 0402 3139.7,-2588.46 r90 top (schematic designator R85)
R85.7 "Resistor" 0402 3927.1,-2588.46 r90 top (schematic designator R85)
R85.8 "Resistor" 0402 4762.32,-2586.38 r90 top (schematic designator R85)
R86.1 "Resistor" 0402 -741.08,-1749.46 r180 top (schematic designator R86)
R86.2 "Resistor" 0402 31,-1751.54 r180 top (schematic designator R86)
R86.3 "Resistor" 0402 846.18,-1749.46 r180 top (schematic designator R86)
R86.4 "Resistor" 0402 1633.58,-1749.46 r180 top (schematic designator R86)
R86.5 "Resistor" 0402 2420.98,-1749.46 r180 top (schematic designator R86)
R86.6 "Resistor" 0402 3208.38,-1749.46 r180 top (schematic designator R86)
R86.7 "Resistor" 0402 3995.78,-1749.46 r180 top (schematic designator R86)
R86.8 "Resistor" 0402 4831,-1747.38 r180 top (schematic designator R86)
R87.1 "Resistor" 0402 -848.08,-2588.46 r90 top (schematic designator R87)
R87.2 "Resistor" 0402 -76,-2590.54 r90 top (schematic designator R87)
R87.3 "Resistor" 0402 739.18,-2588.46 r90 top (schematic designator R87)
R87.4 "Resistor" 0402 1526.58,-2588.46 r90 top (schematic designator R87)
R87.5 "Resistor" 0402 2313.98,-2588.46 r90 top (schematic designator R87)
R87.6 "Resistor" 0402 3101.38,-2588.46 r90 top (schematic designator R87)
R87.7 "Resistor" 0402 3888.78,-2588.46 r90 top (schematic designator R87)
R87.8 "Resistor" 0402 4724,-2586.38 r90 top (schematic designator R87)
R88.1 "Resistor" 0402 -739.08,-1708.46 r0 top (schematic designator R88)
R88.2 "Resistor" 0402 33,-1710.54 r0 top (schematic designator R88)
R88.3 "Resistor" 0402 848.18,-1708.46 r0 top (schematic designator R88)
R88.4 "Resistor" 0402 1635.58,-1708.46 r0 top (schematic designator R88)
R88.5 "Resistor" 0402 2422.98,-1708.46 r0 top (schematic designator R88)
R88.6 "Resistor" 0402 3210.38,-1708.46 r0 top (schematic designator R88)
R88.7 "Resistor" 0402 3997.78,-1708.46 r0 top (schematic designator R88)
R88.8 "Resistor" 0402 4833,-1706.38 r0 top (schematic designator R88)
R89.1 "Resistor" 0402 -740.08,-1832.46 r0 top (schematic designator R89)
R89.2 "Resistor" 0402 32,-1834.54 r0 top (schematic designator R89)
R89.3 "Resistor" 0402 847.18,-1832.46 r0 top (schematic designator R89)
R89.4 "Resistor" 0402 1634.58,-1832.46 r0 top (schematic designator R89)
R89.5 "Resistor" 0402 2421.98,-1832.46 r0 top (schematic designator R89)
R89.6 "Resistor" 0402 3209.38,-1832.46 r0 top (schematic designator R89)
R89.7 "Resistor" 0402 3996.78,-1832.46 r0 top (schematic designator R89)
R89.8 "Resistor" 0402 4832,-1830.38 r0 top (schematic designator R89)
R90.1 "Resistor" 0402 -799.08,-2077.46 r90 top (schematic designator R90)
R90.2 "Resistor" 0402 -27,-2079.54 r90 top (schematic designator R90)
R90.3 "Resistor" 0402 788.18,-2077.46 r90 top (schematic designator R90)
R90.4 "Resistor" 0402 1575.58,-2077.46 r90 top (schematic designator R90)
R90.5 "Resistor" 0402 2362.98,-2077.46 r90 top (schematic designator R90)
R90.6 "Resistor" 0402 3150.38,-2077.46 r90 top (schematic designator R90)
R90.7 "Resistor" 0402 3937.78,-2077.46 r90 top (schematic designator R90)
R90.8 "Resistor" 0402 4773,-2075.38 r90 top (schematic designator R90)
R91.1 "Resistor" 0402 -798.08,-1990.46 r90 top (schematic designator R91)
R91.2 "Resistor" 0402 -26,-1992.54 r90 top (schematic designator R91)
R91.3 "Resistor" 0402 789.18,-1990.46 r90 top (schematic designator R91)
R91.4 "Resistor" 0402 1576.58,-1990.46 r90 top (schematic designator R91)
R91.5 "Resistor" 0402 2363.98,-1990.46 r90 top (schematic designator R91)
R91.6 "Resistor" 0402 3151.38,-1990.46 r90 top (schematic designator R91)
R91.7 "Resistor" 0402 3938.78,-1990.46 r90 top (schematic designator R91)
R91.8 "Resistor" 0402 4774,-1988.38 r90 top (schematic designator R91)
R92.1 "Resistor" 0402 -765.48,-2448.46 r90 top (schematic designator R92)
R92.2 "Resistor" 0402 6.6,-2450.54 r90 top (schematic designator R92)
R92.3 "Resistor" 0402 821.77,-2448.46 r90 top (schematic designator R92)
R92.4 "Resistor" 0402 1609.18,-2448.46 r90 top (schematic designator R92)
R92.5 "Resistor" 0402 2396.58,-2448.46 r90 top (schematic designator R92)
R92.6 "Resistor" 0402 3183.98,-2448.46 r90 top (schematic designator R92)
R92.7 "Resistor" 0402 3971.38,-2448.46 r90 top (schematic designator R92)
R92.8 "Resistor" 0402 4806.6,-2446.38 r90 top (schematic designator R92)
R93.1 "Resistor" 0402 -673.82,-2448.46 r270 top (schematic designator R93)
R93.2 "Resistor" 0402 98.26,-2450.54 r270 top (schematic designator R93)
R93.3 "Resistor" 0402 913.44,-2448.46 r270 top (schematic designator R93)
R93.4 "Resistor" 0402 1700.84,-2448.46 r270 top (schematic designator R93)
R93.5 "Resistor" 0402 2488.24,-2448.46 r270 top (schematic designator R93)
R93.6 "Resistor" 0402 3275.64,-2448.46 r270 top (schematic designator R93)
R93.7 "Resistor" 0402 4063.04,-2448.46 r270 top (schematic designator R93)
R93.8 "Resistor" 0402 4898.26,-2446.38 r270 top (schematic designator R93)
R94.1 "Resistor" 0402 -685.08,-2096.43 r180 top (schematic designator R94)
R94.2 "Resistor" 0402 87,-2098.51 r180 top (schematic designator R94)
R94.3 "Resistor" 0402 902.18,-2096.43 r180 top (schematic designator R94)
R94.4 "Resistor" 0402 1689.58,-2096.43 r180 top (schematic designator R94)
R94.5 "Resistor" 0402 2476.98,-2096.43 r180 top (schematic designator R94)
R94.6 "Resistor" 0402 3264.38,-2096.43 r180 top (schematic designator R94)
R94.7 "Resistor" 0402 4051.78,-2096.43 r180 top (schematic designator R94)
R94.8 "Resistor" 0402 4887,-2094.35 r180 top (schematic designator R94)
R95.1 "Resistor" 0402 -353.31,-2616.87 r90 top (schematic designator R95)
R95.2 "Resistor" 0402 418.77,-2618.95 r90 top (schematic designator R95)
R95.3 "Resistor" 0402 1233.95,-2616.87 r90 top (schematic designator R95)
R95.4 "Resistor" 0402 2021.35,-2616.87 r90 top (schematic designator R95)
R95.5 "Resistor" 0402 2808.75,-2616.87 r90 top (schematic designator R95)
R95.6 "Resistor" 0402 3596.15,-2616.87 r90 top (schematic designator R95)
R95.7 "Resistor" 0402 4383.55,-2616.87 r90 top (schematic designator R95)
R95.8 "Resistor" 0402 5218.77,-2614.79 r90 top (schematic designator R95)
R96.1 "Resistor" 0402 -400.76,-1868.46 r180 top (schematic designator R96)
R96.2 "Resistor" 0402 371.31,-1870.54 r180 top (schematic designator R96)
R96.3 "Resistor" 0402 1186.49,-1868.46 r180 top (schematic designator R96)
R96.4 "Resistor" 0402 1973.89,-1868.46 r180 top (schematic designator R96)
R96.5 "Resistor" 0402 2761.29,-1868.46 r180 top (schematic designator R96)
R96.6 "Resistor" 0402 3548.7,-1868.46 r180 top (schematic designator R96)
R96.7 "Resistor" 0402 4336.1,-1868.46 r180 top (schematic designator R96)
R96.8 "Resistor" 0402 5171.31,-1866.38 r180 top (schematic designator R96)
R97.1 "Resistor" 0402 -391.92,-2616.87 r90 top (schematic designator R97)
R97.2 "Resistor" 0402 380.16,-2618.95 r90 top (schematic designator R97)
R97.3 "Resistor" 0402 1195.33,-2616.87 r90 top (schematic designator R97)
R97.4 "Resistor" 0402 1982.74,-2616.87 r90 top (schematic designator R97)
R97.5 "Resistor" 0402 2770.14,-2616.87 r90 top (schematic designator R97)
R97.6 "Resistor" 0402 3557.54,-2616.87 r90 top (schematic designator R97)
R97.7 "Resistor" 0402 4344.94,-2616.87 r90 top (schematic designator R97)
R97.8 "Resistor" 0402 5180.16,-2614.79 r90 top (schematic designator R97)
R98.1 "Resistor" 0402 -401.7,-1948.46 r0 top (schematic designator R98)
R98.2 "Resistor" 0402 370.38,-1950.54 r0 top (schematic designator R98)
R98.3 "Resistor" 0402 1185.56,-1948.46 r0 top (schematic designator R98)
R98.4 "Resistor" 0402 1972.96,-1948.46 r0 top (schematic designator R98)
R98.5 "Resistor" 0402 2760.36,-1948.46 r0 top (schematic designator R98)
R98.6 "Resistor" 0402 3547.76,-1948.46 r0 top (schematic designator R98)
R98.7 "Resistor" 0402 4335.16,-1948.46 r0 top (schematic designator R98)
R98.8 "Resistor" 0402 5170.38,-1946.38 r0 top (schematic designator R98)
R99.1 "Resistor" 0402 -468.08,-2616.87 r90 top (schematic designator R99)
R99.2 "Resistor" 0402 304,-2618.95 r90 top (schematic designator R99)
R99.3 "Resistor" 0402 1119.18,-2616.87 r90 top (schematic designator R99)
R99.4 "Resistor" 0402 1906.58,-2616.87 r90 top (schematic designator R99)
R99.5 "Resistor" 0402 2693.98,-2616.87 r90 top (schematic designator R99)
R99.6 "Resistor" 0402 3481.38,-2616.87 r90 top (schematic designator R99)
R99.7 "Resistor" 0402 4268.78,-2616.87 r90 top (schematic designator R99)
R99.8 "Resistor" 0402 5104,-2614.79 r90 top (schematic designator R99)
R100.1 "Resistor" 0402 -529.08,-1746.46 r0 top (schematic designator R100)
R100.2 "Resistor" 0402 243,-1748.54 r0 top (schematic designator R100)
R100.3 "Resistor" 0402 1058.18,-1746.46 r0 top (schematic designator R100)
R100.4 "Resistor" 0402 1845.58,-1746.46 r0 top (schematic designator R100)
R100.5 "Resistor" 0402 2632.98,-1746.46 r0 top (schematic designator R100)
R100.6 "Resistor" 0402 3420.38,-1746.46 r0 top (schematic designator R100)
R100.7 "Resistor" 0402 4207.78,-1746.46 r0 top (schematic designator R100)
R100.8 "Resistor" 0402 5043,-1744.38 r0 top (schematic designator R100)
R101.1 "Resistor" 0402 -430.19,-2616.87 r90 top (schematic designator R101)
R101.2 "Resistor" 0402 341.89,-2618.95 r90 top (schematic designator R101)
R101.3 "Resistor" 0402 1157.06,-2616.87 r90 top (schematic designator R101)
R101.4 "Resistor" 0402 1944.47,-2616.87 r90 top (schematic designator R101)
R101.5 "Resistor" 0402 2731.87,-2616.87 r90 top (schematic designator R101)
R101.6 "Resistor" 0402 3519.27,-2616.87 r90 top (schematic designator R101)
R101.7 "Resistor" 0402 4306.67,-2616.87 r90 top (schematic designator R101)
R101.8 "Resistor" 0402 5141.89,-2614.79 r90 top (schematic designator R101)
R102.1 "Resistor" 0402 -529.08,-1709.46 r180 top (schematic designator R102)
R102.2 "Resistor" 0402 243,-1711.54 r180 top (schematic designator R102)
R102.3 "Resistor" 0402 1058.18,-1709.46 r180 top (schematic designator R102)
R102.4 "Resistor" 0402 1845.58,-1709.46 r180 top (schematic designator R102)
R102.5 "Resistor" 0402 2632.98,-1709.46 r180 top (schematic designator R102)
R102.6 "Resistor" 0402 3420.38,-1709.46 r180 top (schematic designator R102)
R102.7 "Resistor" 0402 4207.78,-1709.46 r180 top (schematic designator R102)
R102.8 "Resistor" 0402 5043,-1707.38 r180 top (schematic designator R102)
R103.1 "Resistor" 0402 -529.08,-1835.46 r180 top (schematic designator R103)
R103.2 "Resistor" 0402 243,-1837.54 r180 top (schematic designator R103)
R103.3 "Resistor" 0402 1058.18,-1835.46 r180 top (schematic designator R103)
R103.4 "Resistor" 0402 1845.58,-1835.46 r180 top (schematic designator R103)
R103.5 "Resistor" 0402 2632.98,-1835.46 r180 top (schematic designator R103)
R103.6 "Resistor" 0402 3420.38,-1835.46 r180 top (schematic designator R103)
R103.7 "Resistor" 0402 4207.78,-1835.46 r180 top (schematic designator R103)
R103.8 "Resistor" 0402 5043,-1833.38 r180 top (schematic designator R103)
R104.1 "Resistor" 0402 -348.08,-2097.15 r90 top (schematic designator R104)
R104.2 "Resistor" 0402 424,-2099.23 r90 top (schematic designator R104)
R104.3 "Resistor" 0402 1239.18,-2097.15 r90 top (schematic designator R104)
R104.4 "Resistor" 0402 2026.58,-2097.15 r90 top (schematic designator R104)
R104.5 "Resistor" 0402 2813.98,-2097.15 r90 top (schematic designator R104)
R104.6 "Resistor" 0402 3601.38,-2097.15 r90 top (schematic designator R104)
R104.7 "Resistor" 0402 4388.78,-2097.15 r90 top (schematic designator R104)
R104.8 "Resistor" 0402 5224,-2095.06 r90 top (schematic designator R104)
R105.1 "Resistor" 0402 -388.08,-2018.46 r90 top (schematic designator R105)
R105.2 "Resistor" 0402 384,-2020.54 r90 top (schematic designator R105)
R105.3 "Resistor" 0402 1199.18,-2018.46 r90 top (schematic designator R105)
R105.4 "Resistor" 0402 1986.58,-2018.46 r90 top (schematic designator R105)
R105.5 "Resistor" 0402 2773.98,-2018.46 r90 top (schematic designator R105)
R105.6 "Resistor" 0402 3561.38,-2018.46 r90 top (schematic designator R105)
R105.7 "Resistor" 0402 4348.78,-2018.46 r90 top (schematic designator R105)
R105.8 "Resistor" 0402 5184,-2016.38 r90 top (schematic designator R105)
R106.1 "Resistor" 0402 -522.5,-2448.46 r90 top (schematic designator R106)
R106.2 "Resistor" 0402 249.58,-2450.54 r90 top (schematic designator R106)
R106.3 "Resistor" 0402 1064.75,-2448.46 r90 top (schematic designator R106)
R106.4 "Resistor" 0402 1852.16,-2448.46 r90 top (schematic designator R106)
R106.5 "Resistor" 0402 2639.56,-2448.46 r90 top (schematic designator R106)
R106.6 "Resistor" 0402 3426.96,-2448.46 r90 top (schematic designator R106)
R106.7 "Resistor" 0402 4214.36,-2448.46 r90 top (schematic designator R106)
R106.8 "Resistor" 0402 5049.58,-2446.38 r90 top (schematic designator R106)
R107.1 "Resistor" 0402 -613.69,-2448.46 r270 top (schematic designator R107)
R107.2 "Resistor" 0402 158.38,-2450.54 r270 top (schematic designator R107)
R107.3 "Resistor" 0402 973.56,-2448.46 r270 top (schematic designator R107)
R107.4 "Resistor" 0402 1760.96,-2448.46 r270 top (schematic designator R107)
R107.5 "Resistor" 0402 2548.36,-2448.46 r270 top (schematic designator R107)
R107.6 "Resistor" 0402 3335.77,-2448.46 r270 top (schematic designator R107)
R107.7 "Resistor" 0402 4123.17,-2448.46 r270 top (schematic designator R107)
R107.8 "Resistor" 0402 4958.38,-2446.38 r270 top (schematic designator R107)
R108.1 "Resistor" 0402 -497.51,-2128.46 r270 top (schematic designator R108)